# Altium PCB PCB_Incense.PcbDoc (part 1 of 3)
Units mil, origin at the board's own origin, x right, y up, seen from the top; angles counter-clockwise.
Board outline 5905.51 x 4960.63 mil, 2 copper layers (Top Layer, Bottom Layer), stack 61.89 mil thick; 318 components, 225 nets, 1085 pads, 499 vias.
Unrouted connection lines stored in the file: 2.
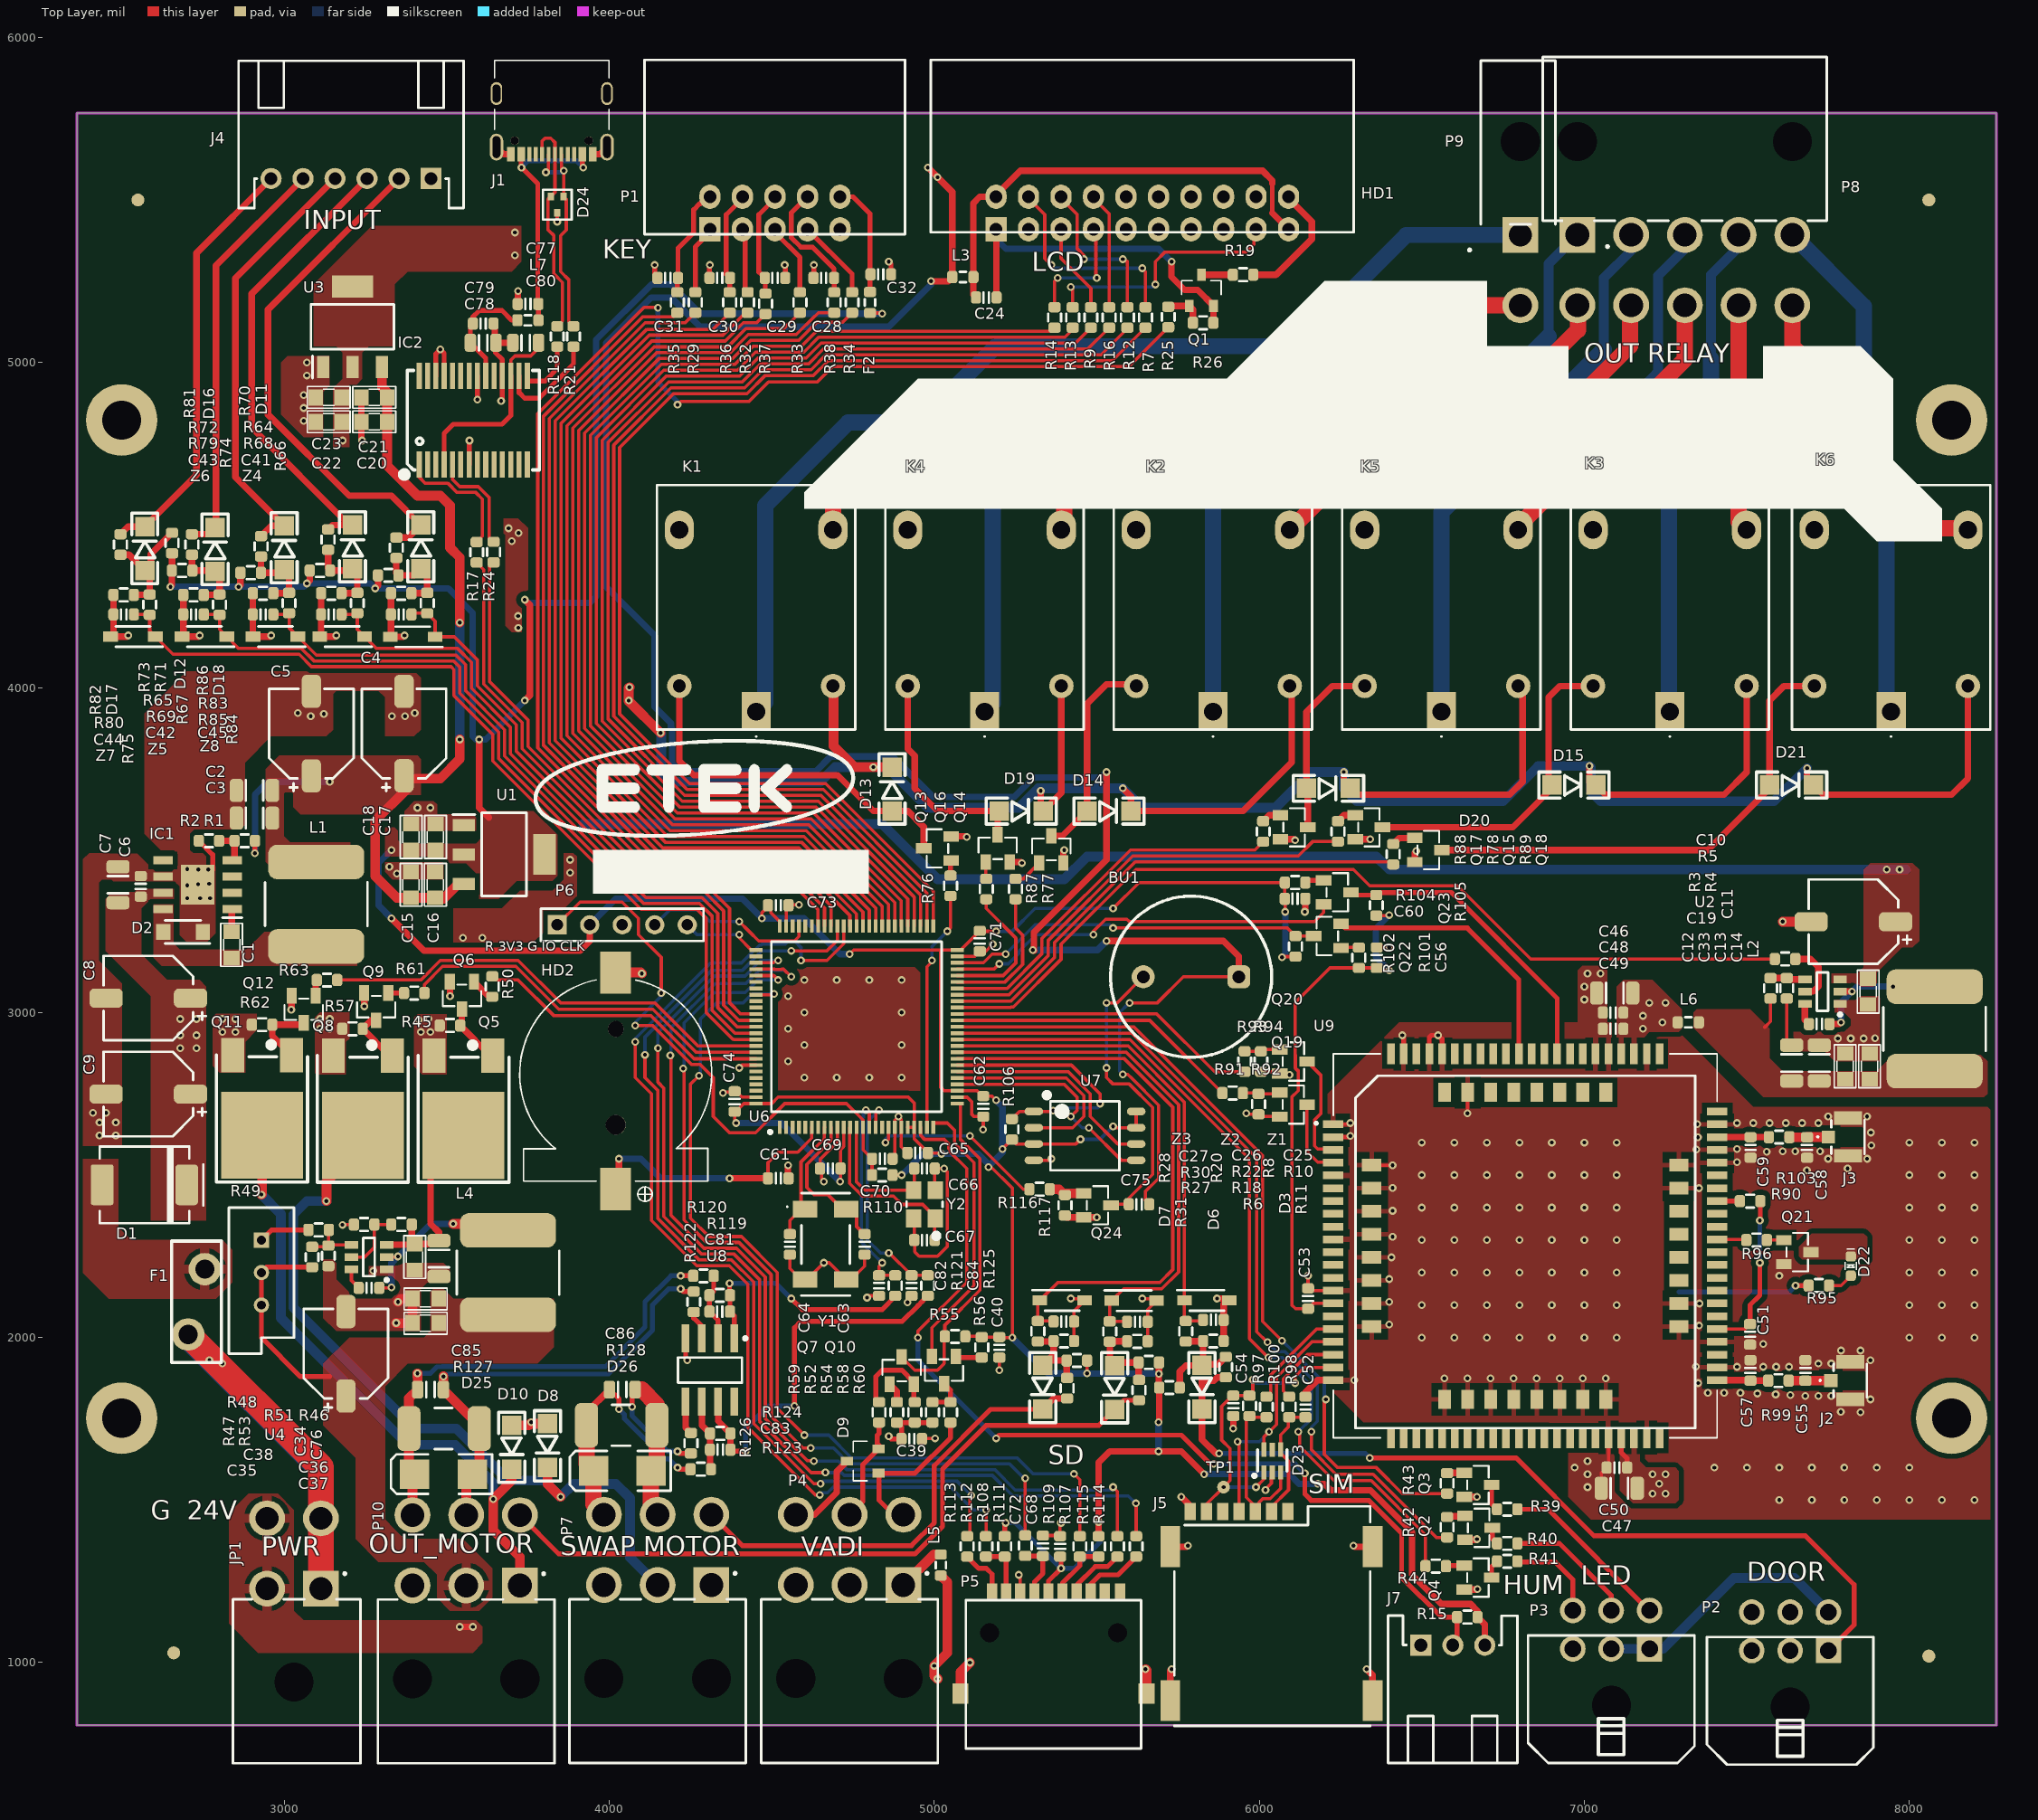
[diagram p0: Top Layer view]
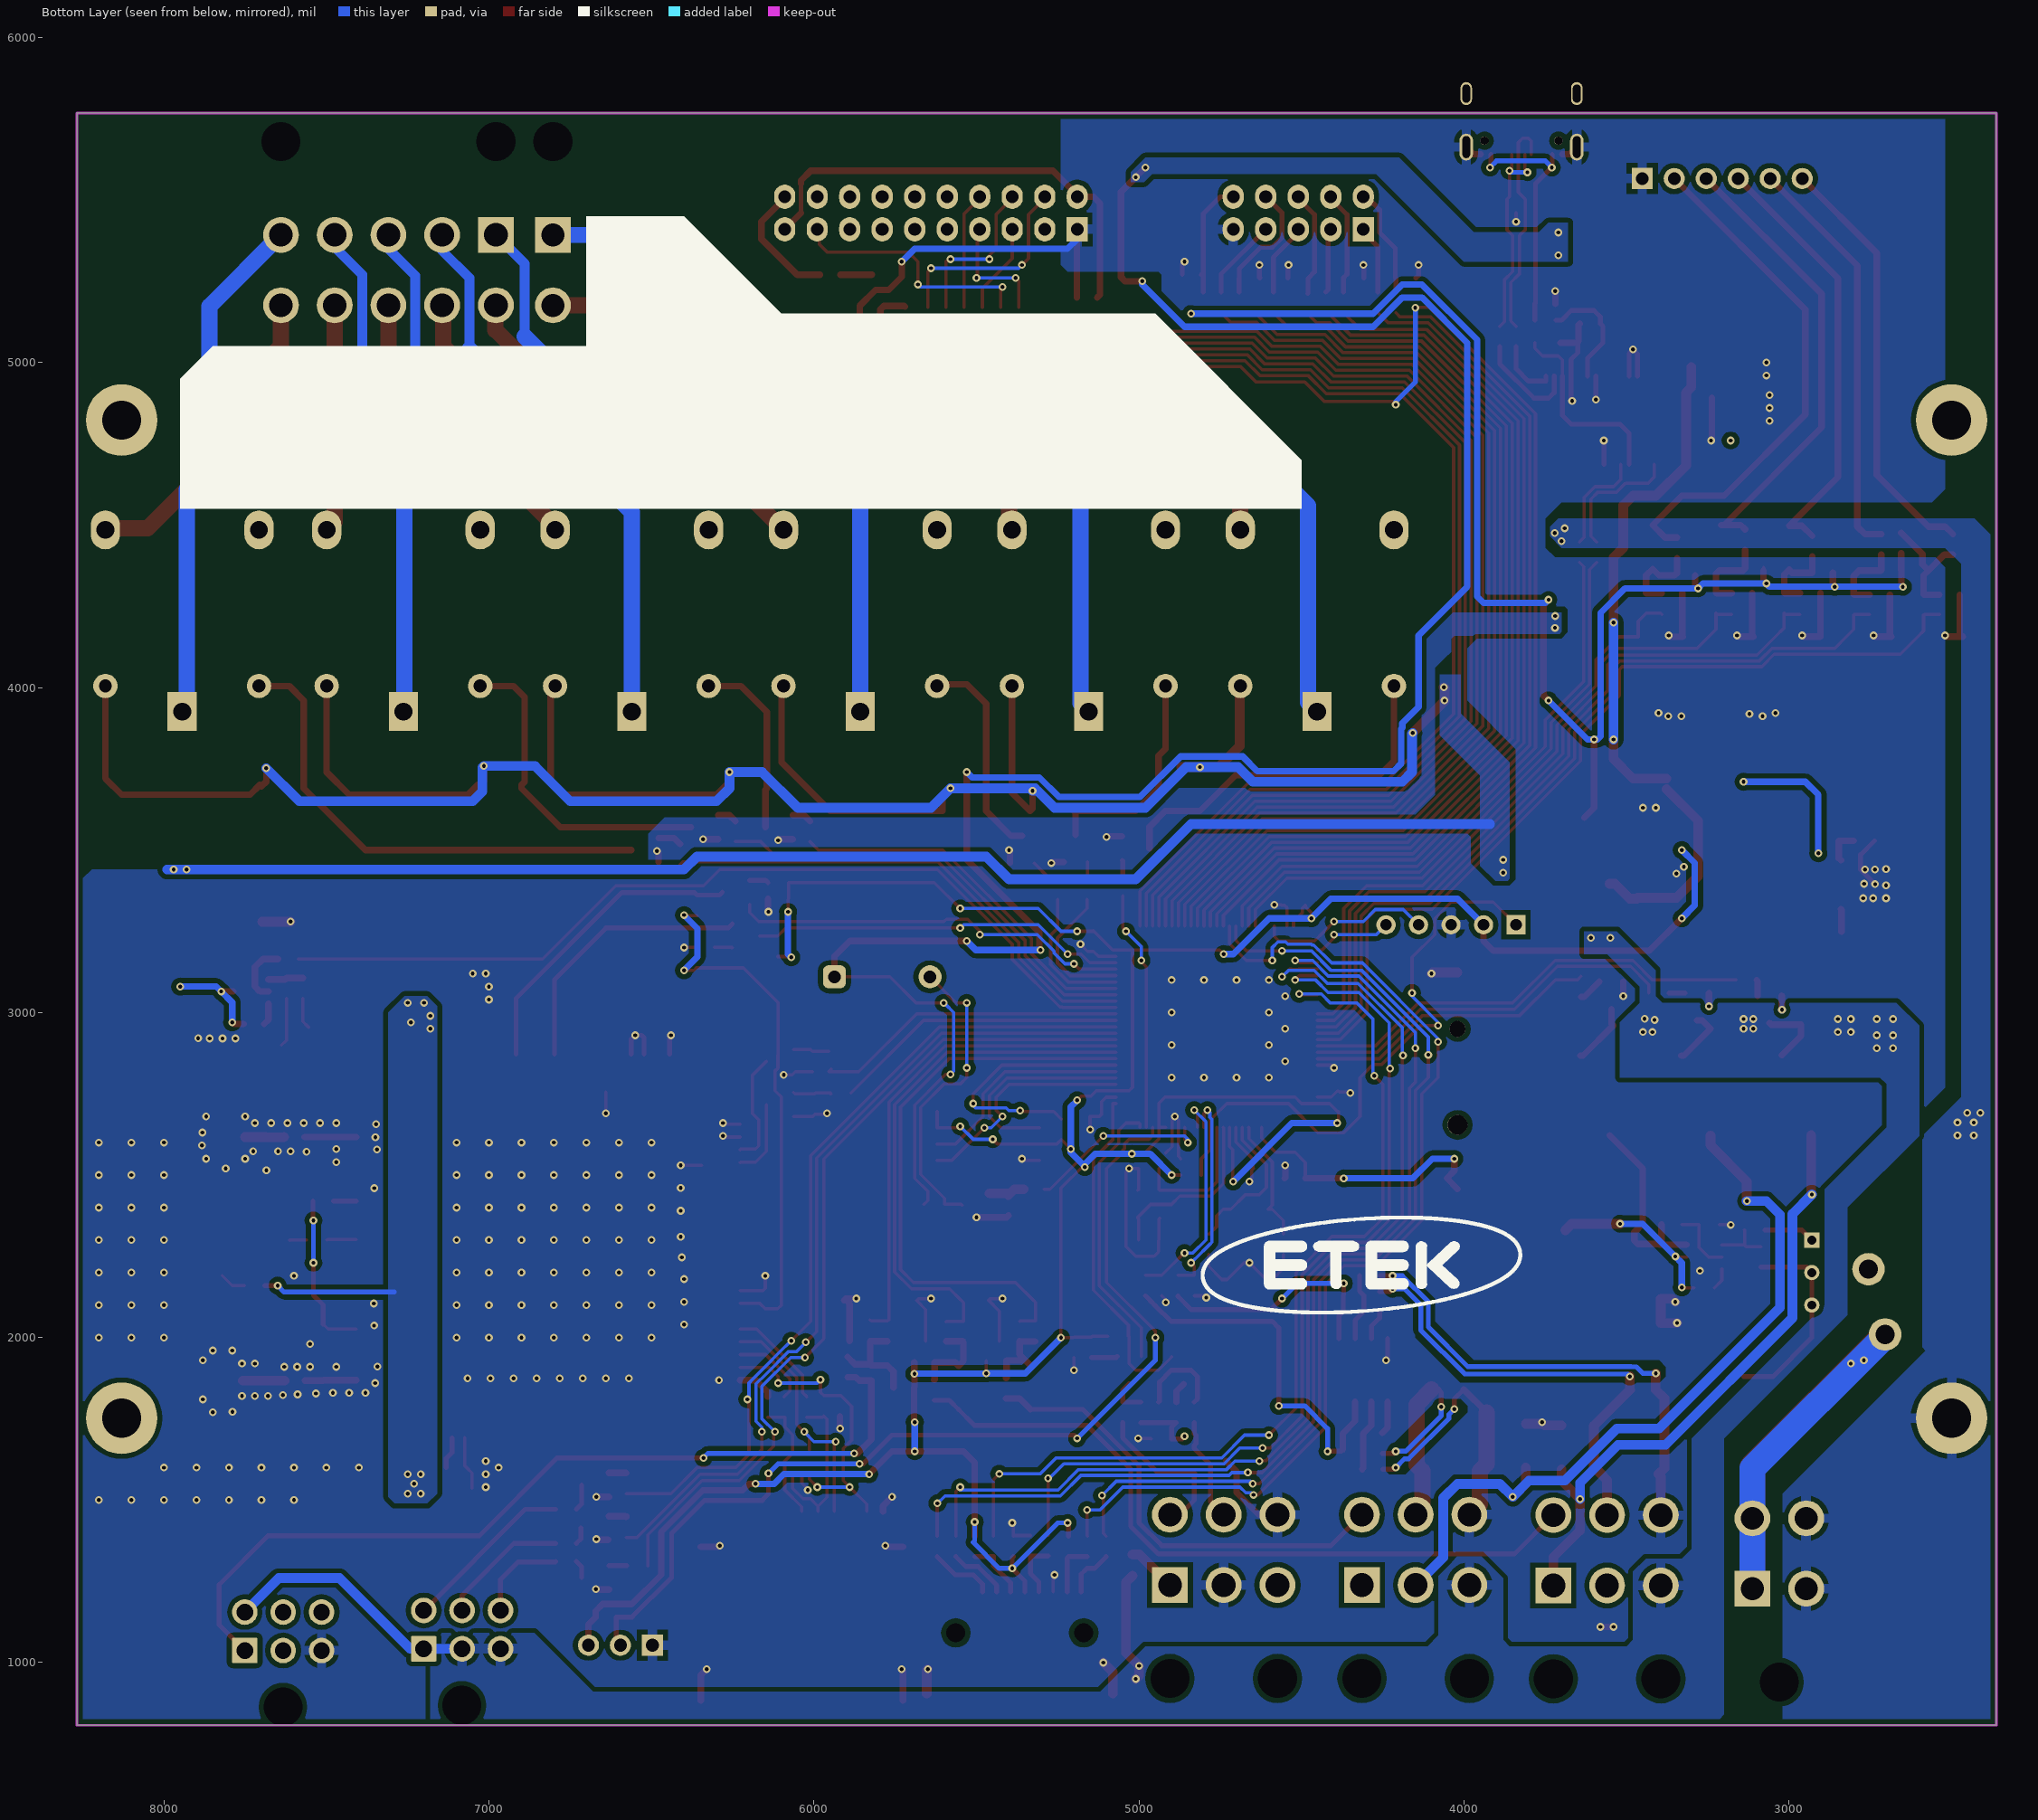
[diagram p1: Bottom Layer view, seen from below]
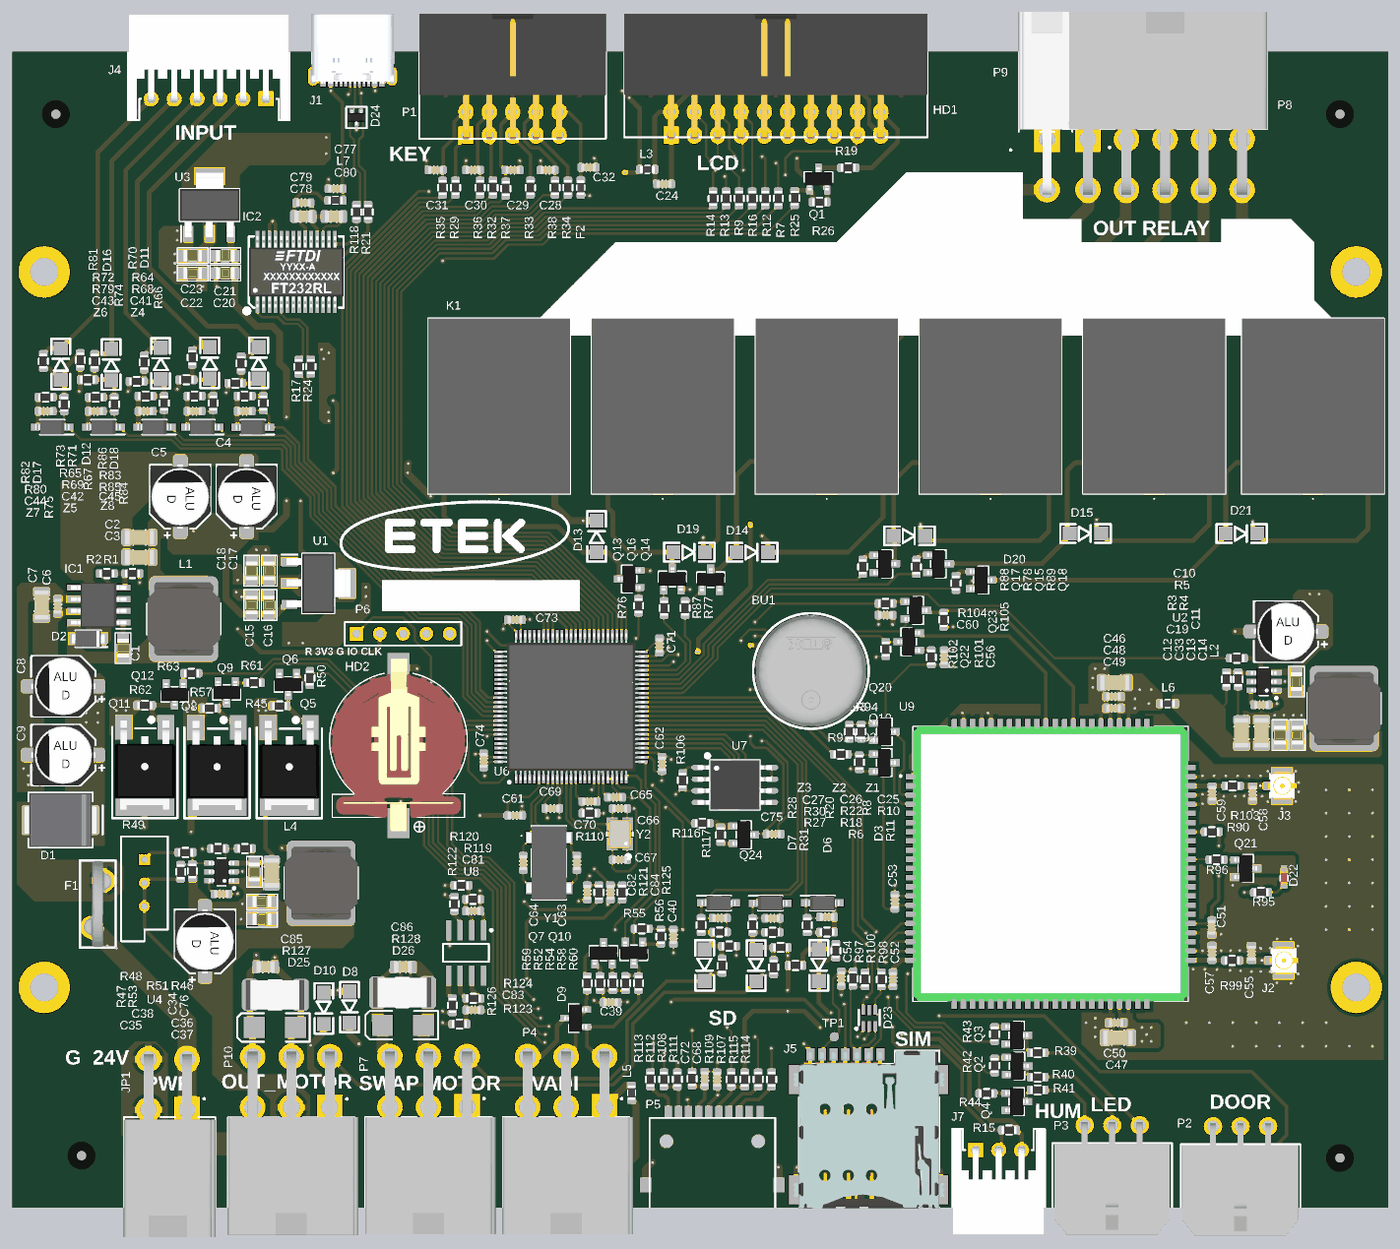
[diagram p4: 3D render of the assembled board from above, using the file's embedded part models]

## Layer stack, top to bottom
Top Solder: solder mask 0.3937, Solder Resist, Dk 3.5
Top Layer: signal copper 1.4173
Dielectric 1: dielectric 59.0551, FR-4, Dk 4.8
Bottom Layer: signal copper 1.4173
Bottom Solder: solder mask 0.3937, Solder Resist, Dk 3.5

## Board outline
2362.2,807.09 2362.2,1614.17 2362.2,4960.63 2362.2,5767.72 8267.72,5767.72 8267.72,4960.63 8267.72,1614.17 8267.72,807.09

## Design rules (kind name [scope] priority, off if disabled: settings)
Clearance Polygon [IsRegion] p1: gap=15 ignorepadtopadclearanceinfootprint=FALSE
Clearance Keepout [IsKeepOut] p2: gap=30 ignorepadtopadclearanceinfootprint=FALSE
Clearance [All] p3: gap=10 ignorepadtopadclearanceinfootprint=FALSE except(0: Arc-Hole Track-Hole SMDPad-Hole THPad-Hole Via-Hole Fill-Hole Poly-Hole Region-Hole Text-Hole; 7: Arc-SMDPad Track-SMDPad SMDPad-SMDPad; 8: Arc-Arc Arc-Track Track-Track)
DiffPairsRouting [All] p1: maxlimit=10 minlimit=10 mostfreqgap=10 toplayer_minwidth=15 toplayer_maxwidth=15 toplayer_prefwidth=15 bottomlayer_minwidth=15 bottomlayer_maxwidth=15 bottomlayer_prefwidth=15 maxuncoupledlength=500
PlaneConnect [All] p1: planeconnectstyle=Direct reliefexpansion=20 reliefentries=4 reliefconductorwidth=10 reliefairgap=10
PolygonConnect PolygonConnect_Modem [InComponent('U9')] p1: thpad.connectstyle=Direct thpad.reliefconductorwidth=10 thpad.reliefentries=4 thpad.polygonreliefangle="90 Angle" thpad.airgapwidth=10 smdpad.connectstyle=Relief smdpad.reliefconductorwidth=15 smdpad.reliefentries=4 smdpad.polygonreliefangle="90 Angle" smdpad.airgapwidth=20 via.connectstyle=Direct via.reliefconductorwidth=10 via.reliefentries=4 via.polygonreliefangle="90 Angle" via.airgapwidth=10
PolygonConnect PolygonConnect_1 [All] p2: thpad.connectstyle=Relief thpad.reliefconductorwidth=30 thpad.reliefentries=4 thpad.polygonreliefangle="90 Angle" thpad.airgapwidth=15 smdpad.connectstyle=Direct smdpad.reliefconductorwidth=10 smdpad.reliefentries=4 smdpad.polygonreliefangle="90 Angle" smdpad.airgapwidth=10 via.connectstyle=Direct via.reliefconductorwidth=10 via.reliefentries=4 via.polygonreliefangle="90 Angle" via.airgapwidth=10
PolygonConnect [Isvia] p3: connectstyle=Direct reliefconductorwidth=10 reliefentries=4 polygonreliefangle="90 Angle" airgapwidth=10
RoomDefinition 03_Incense_4G [InComponentClass('03_Incense_4G')] p1: confinementstyle=ConfineIn formatcopy=TRUE lockcomponents=FALSE outline 2600,2965 3395,2965 3395,2180 2600,2180
RoutingVias [All] p1: holewidth=12 width=24 viastyle="Through Hole" minholewidth=12 minwidth=24 maxholewidth=12 maxwidth=24
SolderMaskExpansion [All] p1: expansion=4 istentingtop=FALSE
Width [All] p1: maxlimit=100 minlimit=10 preferedwidth=10
28 further rules are at their usual default settings.

## Classes and differential pairs
component class 04_Incense_MCU: BAT1 BU1 C61 C62 C63 C64 C65 C66 C67 C68 C69 C70 C71 C72 C73 C74 C75 C77 C78 C79 C80 D24 HD2 IC2 J1 L7 P5 P6 Q24 R17 R21 R24 R106 R107 R108 R109 R110 R111 R112 R113 R114 R115 R116 R117 R118 U6 U7 Y1 Y2
component class 03_Incense_4G: C46 C47 C48 C49 C50 C51 C52 C53 C54 C55 C56 C57 C58 C59 C60 D22 D23 J2 J3 J5 L6 Q19 Q20 Q21 Q22 Q23 R90 R91 R92 R93 R94 R95 R96 R97 R98 R99 R100 R101 R102 R103 R104 R105 TP1 U9
component class 02-Insence_interface: C24 C25 C26 C27 C28 C29 C30 C31 C32 C34 C35 C36 C37 C38 C39 C40 C41 C42 C43 C44 C45 C76 C81 C82 C83 C84 C85 C86 D3 D6 D7 D8 D9 D10 D11 D12 D13 D14 D15 D16 D17 D18 D19 D20 D21 D25 D26 F2 HD1 J4 J7 K1 K2 K3 K4 K5 K6 L3 L4 L5 P1 P2 P3 P4 P7 P8 P9 P10 Q1 Q2 Q3 Q4 Q5 Q6 Q7 Q8 Q9 Q10 Q11 Q12 Q13 Q14 Q15 Q16 Q17 Q18 R6 R7 R8 R9 R10 R11 R12 R13 R14 R15 R16 R18 R19 R20 R22 R25 R26 R27 R28 R29 R30 R31 R32 R33 R34 R35 R36 R37 R38 R39 R40 R41 R42 R43 R44 R45 R46 R47 R48 R49 R50 R51 R52 R53 R54 R55 R56 R57 R58 R59 R60 R61 R62 R63 R64 R65 R66 R67 R68 R69 R70 R71 R72 R73 R74 R75 R76 R77 R78 R79 R80 R81 R82 R83 R84 R85 R86 R87 R88 R89 R119 R120 R121 R122 R123 R124 R125 R126 R127 R128 U4 U8 Z1 Z2 Z3 Z4 Z5 Z6 Z7 Z8
component class 01-Insence_Power: C1 C2 C3 C4 C5 C6 C7 C8 C9 C10 C11 C12 C13 C14 C15 C16 C17 C18 C19 C20 C21 C22 C23 C33 D1 D2 F1 IC1 JP1 L1 L2 R1 R2 R3 R4 R5 U1 U2 U3
differential pair USB1_D: +USB1_D_P -USB1_D_N
differential pair USB1_CON_D: +USB1_CON_D_P -USB1_CON_D_N

## Components (designator, comment, footprint, x,y, rotation, side; value= is the part's Value field where it differs from the comment)
BU1 "CLA2022" BUZZ_5V_D12X7.5MM 5790,3110 r180 top
C1 "Cap" 0805 2838.62,3248.31 r270 top
C2 "10uF" "CAP 1206" 2908.62,3683.31 r0 top
C3 "10uF" "CAP 1206" 2908.62,3598.31 r0 top
C4 "100uF" "CAP ALUM SMD-D Package 6.3x5.4mm" 3368.62,3858.31 r270 top
C5 "100uF" "CAP ALUM SMD-D Package 6.3x5.4mm" 3083.62,3858.23 r270 top
C6 "0.1uF" "CAP 0603" 2558.62,3388.31 r270 top
C7 "10uF" "CAP 1206" 2488.62,3393.31 r270 top
C8 "47uF" "CAP ALUM SMD-D Package 6.3x5.4mm" 2581.89,3044.41 r0 top
C9 "47uF" "CAP ALUM SMD-D Package 6.3x5.4mm" 2581.89,2749.13 r0 top
C10 "47uF" "CAP ALUM SMD-D Package 6.3x5.4mm" 7827.8,3279.61 r0 top
C11 "Cap" 0805 7872.8,3024.61 r90 top
C12 "100uF" "CAP 1206" 7637.8,2844.61 r90 top
C13 "Cap" 0805 7802.8,2874.61 r270 top
C14 "Cap" 0805 7877.8,2874.61 r270 top
C15 "10uF/25V" 0805 3389.75,3353.19 r90 top
C16 "0.1uF" 0805 3464.75,3353.19 r90 top
C17 "10u/16V" 0805 3465,3500 r90 top
C18 "0.1uF" 0805 3390,3500 r90 top
C19 "Cap" "CAP 0603" 7722.8,2964.61 r0 top
C20 "10uF/25V" 0805 3317.05,4817.13 r180 top
C21 "0.1uF" 0805 3317.05,4892.13 r180 top
C22 "10u/16V" 0805 3177.05,4817.13 r180 top
C23 "0.1uF" 0805 3177.05,4892.13 r180 top
C24 "0.1uF" "CAP 0603" 5160,5200 r180 top
C25 "100pF" "CAP 0603" 5858.74,2054.37 r180 top
C26 "100pF" "CAP 0603" 5625,2048.51 r180 top
C27 "100pF" "CAP 0603" 5398.74,2049.37 r180 top
C28 "0.1uF" "CAP 0603" 4660,5260 r0 top
C29 "0.1uF" "CAP 0603" 4510,5260 r180 top
C30 "0.1uF" "CAP 0603" 4340,5260 r0 top
C31 "0.1uF" "CAP 0603" 4180,5260 r0 top
C32 "0.1uF" "CAP 0603" 4835.37,5271.34 r180 top
C33 "100uF" "CAP 1206" 7722.8,2844.61 r90 top
C34 "Cap" 0805 3400.99,2207.99 r90 top
C35 "47uF" "CAP ALUM SMD-D Package 6.3x5.4mm" 3190,1950 r270 top
C36 "Cap" 0805 3394.92,2119.57 r0 top
C37 "Cap" 0805 3394.92,2044.57 r0 top
C38 "Cap" "cap 0603" 3260.99,2152.99 r0 top
C39 "0.1uF" "CAP 0603" 4930.71,1688.1 r0 top
C40 "0.1uF" "CAP 0603" 5200,1970 r90 top
C41 "100pF" "CAP 0603" 3360,4225 r0 top
C42 "100pF" "CAP 0603" 2721.1,4225 r0 top
C43 "100pF" "CAP 0603" 3145,4225 r0 top
C44 "100pF" "CAP 0603" 2506.1,4225 r0 top
C45 "100pF" "CAP 0603" 2935,4225 r0 top
C46 "100uF" "CAP 1206" 7093.5,3060 r180 top
C47 "100uF" "CAP 1206" 7107.4,1536.5 r180 top
C48 "0.1uF" "CAP 0603" 7088.5,3000 r180 top
C49 "33pF" "CAP 0603" 7088.5,2950 r180 top
C50 "10pF" "CAP 0603" 7100,1600 r180 top
C51 "0.1uF" "CAP 0603" 7510,2010 r270 top
C52 "18pF" "CAP 0603" 6142.08,1786.47 r90 top
C53 "0.1uF" "CAP 0603" 6150,2120 r90 top
C54 "0.1uF" "CAP 0603" 5920,1790 r270 top
C55 "NI" "CAP 0603" 7680.14,1898.92 r90 top value=12pF
C56 "0.1uF" "CAP 0603" 6361.38,3168.74 r90 top
C57 "NI" "CAP 0603" 7511.08,1899.06 r90 top value=12pF
C58 "NI" "CAP 0603" 7685.07,2584.91 r270 top value=12pF
C59 "NI" "CAP 0603" 7511.32,2585.18 r270 top value=12pF
C60 "0.1uF" "CAP 0603" 6110,3350 r180 top
C61 "0.1uF,0805,16v" "CAP 0603" 4520,2490 r180 top
C62 "Cap" "CAP 0603" 5150.83,2711.26 r90 top
C63 "12pF" "CAP 0603" 4785.79,2286.77 r270 top
C64 "12pF" "CAP 0603" 4555.79,2286.77 r270 top
C65 "Cap" "cap 0603" 4948.82,2568.05 r180 top
C66 "18pF" "CAP 0603" 4970,2520 r0 top
C67 "18pF" "CAP 0603" 4970,2300 r180 top
C68 "0.1uF" "CAP 0603" 5387.15,1357.44 r90 top
C69 "Cap" "CAP 0603" 4680,2520 r180 top
C70 "Cap" "CAP 0603" 4840,2550 r180 top
C71 "Cap" "CAP 0603" 5140,3220 r90 top value=0.1uF
C72 "18pF" "CAP 0603" 5334.28,1359.39 r90 top
C73 "Cap" "CAP 0603" 4520,3330 r0 top value=0.1uF
C74 "Cap" "CAP 0603" 4385.83,2726.26 r90 top value=0.1uF
C75 "0.1uF" "CAP 0603" 5630,2410 r0 top
C76 "10uF" "CAP 1206" 3475.99,2242.99 r90 top
C77 "0.1uF" "CAP 0603" 3750,5180 r0 top
C78 "10µF" "CAP 0805" 3612.2,5060.71 r180 top
C79 "0.1uF" "CAP 0603" 3612.2,5119.76 r0 top
C80 "10µF" "CAP 0805" 3742.97,5060.78 r180 top
C81 "0.1uF" "CAP 0603" 4340,2080 r180 top
C82 "0.1uF" "CAP 0603" 4830,2160 r90 top
C83 "0.1uF" "CAP 0603" 4341.49,1655 r180 top
C84 "0.1uF" "CAP 0603" 4930,2160 r90 top
C85 "22µF" "CAP 0805" 3450,1840 r180 top
C86 "22µF" "CAP 0805" 4040,1840 r180 top
D1 "S3MB" DO-214AB 2570,2470 r180 top
D2 "SS34F" SMA 2688.62,3248.31 r180 top
D3 "1N4148" diode_1206 5823.74,1914.37 r90 top
D6 "1N4148" diode_1206 5555,1913.51 r90 top
D7 "1N4148" diode_1206 5333.74,1914.37 r90 top
D8 "1N4148" diode_1206 3810,1735 r90 top
D9 "SM3.3H-TP" SOT-23-3 4780,1620 r0 top
D10 "1N4148" diode_1206 3700,1730 r90 top
D11 "1N4148" diode_1206 3420,4365 r270 top
D12 "1N4148" diode_1206 2787.2,4357.2 r270 top
D13 "1N4148" diode_1206 4870,3620 r270 top
D14 "1N4148" diode_1206 5470,3620 r180 top
D15 "1N4148" diode_1206 6900,3700 r180 top
D16 "1N4148" diode_1206 3210,4365 r270 top
D17 "1N4148" diode_1206 2571.1,4360 r270 top
D18 "1N4148" diode_1206 2999.72,4362.43 r270 top
D19 "1N4148" diode_1206 5200,3620 r180 top
D20 "1N4148" diode_1206 6145,3690 r180 top
D21 "1N4148" diode_1206 7570,3700 r180 top
D22 "LED-YELLOW" "LED 0603" 7820,2220 r90 top value="LED RED"
D23 "DF5A5.6FUTE85LF" SC-70-6 6040,1620 r90 top
D24 "ESDR0502BT1G" SOT-416 3840,5485.59 r270 top
D25 "1N5408" SMB 3490,1580 r180 top
D26 "1N5408" SMB 4040,1590 r180 top
F1 "TRB160-2" TRB160-2 2730,2110 r90 top
F2 "PRG18BB471MB1RB" "FB 0603" 4802.36,5184.72 r90 top value=CLA1683
HD1 "Header 10X2H" IDE_20-RA 5640,5460 r180 top locked
HD2 "CR1220-2ZX" "BATTERY HOLDER CR1220 SMD" 4020,2790 r270 top
IC1 "TPS5430DDARG4" SOIC127P600X170-9N 2733.62,3393.31 r180 top
IC2 "FT232RL" FT232 3581.69,4822.55 r0 top
J1 "10155435-00011LF" AMPHENOL_10155435-00011LF 3823.15,5827.3 r180 top locked
J2 "CONUFL001-SMD-T" CONUFL001-SMD 7818.03,1867.64 r270 top
J3 "CONUFL001-SMD-T" CONUFL001-SMD 7810.83,2617.08 r270 top
J4 "XH2.54-6P" XH2.54-6P-RA 3451.57,5565.91 r0 top locked
J5 "693021020811" 693021020811 6040,1120 r0 top
J7 "XH2.54-5P" XH2.54-3P-RA 6496.99,1053.58 r180 top
JP1 "Header 2X2H" "HDR2x2 4_2MM FEMALE TH RA" 3030,940 r0 top
K1 "srd-24vdc-sl-c" srd24vdcslc 4452.01,3925.94 r90 top
K2 "srd-24vdc-sl-c" srd24vdcslc 5857.52,3925.94 r90 top
K3 "srd-24vdc-sl-c" srd24vdcslc 7263.03,3925.94 r90 top
K4 "srd-24vdc-sl-c" srd24vdcslc 5154.76,3925.94 r90 top
K5 "srd-24vdc-sl-c" srd24vdcslc 6560.28,3925.94 r90 top
K6 "srd-24vdc-sl-c" srd24vdcslc 7943.78,3925.94 r90 top
L1 "2.2µH" "IND 8x8MM" 3098.62,3333.31 r90 top
L2 "10uH" "IND 8x8MM" 8077.8,2949.61 r270 top
L3 "330 Ohms @ 100MHz" "FB 0603" 5088.02,5262.77 r0 top
L4 "10uH" "IND 8x8MM" 3688.58,2200 r270 top
L5 "MPZ1608S101ATAH0" "FB 0603" 5020,1300 r90 top value="100 Ohms"
L6 "MPZ1608S101ATAH0" "FB 0603" 7320,2970 r180 top value="100 Ohms"
L7 "330 Ohms @ 100MHz" "FB 0603" 3750,5130 r180 top
P1 "IDE-10" IDE-10-RA 4510,5460 r180 top locked
P2 "10127720-061LF" "PHM-3x2H 3.0 - RA" 7633.15,1096.35 r0 top locked
P3 "10127720-061LF" "PHM-3x2H 3.0 - RA" 7082.62,1101.5 r0 top
P4 "HEADER 5557, 3x2" "HDR2x3 4_2MM FEMALE TH RA" 4739.45,951.1 r0 top locked
P5 "CON- MICRO SD CARD" SD-01A 5366.93,735.16 r0 top locked value="Re-released for DXP Platform."
P6 "Header 5" HDR1X5 3840,3270 r0 top
P7 "HEADER 5557, 3x2" "HDR2x3 4_2MM FEMALE TH RA" 4148.9,951.1 r0 top locked
P8 "039301100" "HDR2x5 4_2MM FEMALE TH RA" 7309.29,5680 r180 top locked
P9 "0039301020" "HDR2x1 4_2MM FEMALE TH RA" 6803.28,5679.77 r180 top locked
P10 "HEADER 5557, 3x2" "HDR2x3 4_2MM FEMALE TH RA" 3560,950 r0 top
Q1 "PMV30UN2R" SOT-23-3 5822.05,5222.2 r270 top
Q2 "MMBT3904" SOT-23 6674.74,1414.65 r0 top
Q3 "MMBT3904" SOT-23 6672.75,1546.65 r0 top
Q4 "MMBT3904" SOT-23 6672.75,1261.65 r0 top
Q5 "AOD409" TO-252 3551.73,2867.72 r180 top
Q6 "MMBT3904" SOT-23 3546.73,3052.72 r270 top
Q7 "MMBT3904" SOT-23 4899.92,1898.64 r90 top
Q8 "AOD409" TO-252 3241.73,2867.72 r180 top
Q9 "MMBT3904" SOT-23 3283,3018.01 r270 top
Q10 "MMBT3904" SOT-23 5030,1900 r270 top
Q11 "AOD409" TO-252 2931.73,2868.78 r180 top
Q12 "MMBT3904" SOT-23 3060,3010 r270 top
Q13 "MMBT3904" SOT-23 5010,3505 r180 top
Q14 "MMBT3904" SOT-23 5360,3502.01 r90 top
Q15 "MMBT3904" SOT-23 6337.01,3570 r0 top
Q16 "MMBT3904" SOT-23 5195,3505 r90 top
Q17 "MMBT3904" SOT-23 6107.01,3570 r0 top
Q18 "MMBT3904" SOT-23 6520,3500 r0 top
Q19 "MMBT3904" SOT-23 6104.75,2716.81 r0 top
Q20 "MMBT3904" SOT-23 6104.92,2849.37 r0 top
Q21 "MMBT3904" SOT-23 7655.39,2262.8 r0 top
Q22 "MMBT3904" SOT-23 6209.39,3235.74 r180 top
Q23 "MMBT3904" SOT-23 6240,3370 r0 top
Q24 "MMBT3904" SOT-23 5501.99,2407 r0 top
R1 "Res1" "res 0603" 2878.62,3528.31 r0 top value=33K
R2 "Res1" "res 0603" 2768.62,3528.31 r180 top value=3.3K
R3 "Res1" "res 0603" 7572.8,3074.61 r270 top value=73.2K
R4 "Res1" "res 0603" 7622.8,3074.61 r270 top value=13k